# Altium PCB WatcherJet3.pcbdoc (part 2 of 3) (continued)
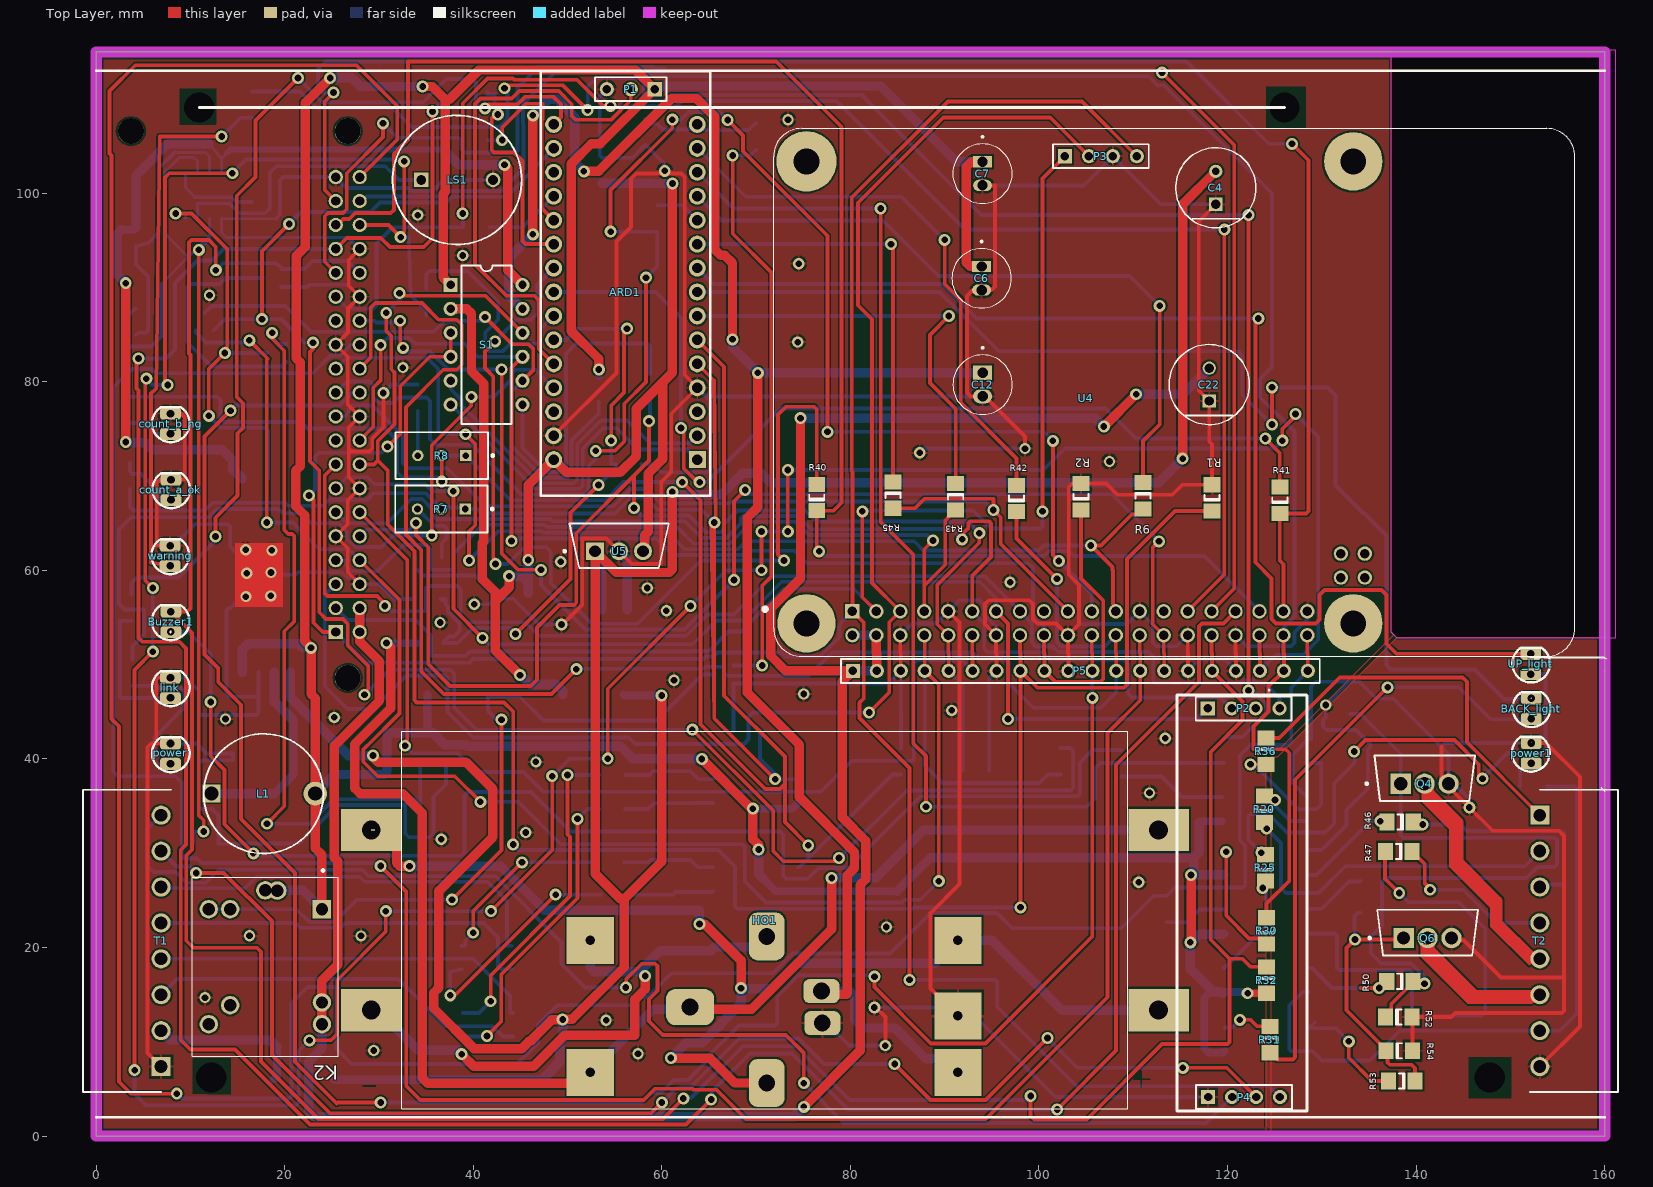
[diagram p0: Top Layer view]
## Nets (pads, with @x,y where several pads share a name; then routed paths per layer and width w, separated by ;. In a path a pad name is that pad's centre, name@x,y a point inside that pad or via, vN(x,y) a via of type N, cw(c..) or ccw(c..) an arc to the next point about the centre after c; other vN are vias at no path point) (continued)
NetD7_1: D7.1 R9.2 | length 32.3
  Top Layer w0.4: v1(41.44,10.617) 42.959,12.136 42.959,17.152 51.036,25.229 v1(51.036,33.655)
  Bottom Layer w0.4: D7.1@38.88,10.563 41.386,10.563 v1(41.44,10.617) ; v1(51.036,33.655) 52.07,34.689 R9.2@53.325,34.689
NetD7_3: D7.3 R14.2 | length 34.4
  Top Layer w0.4: v1(41.834,14.3) 41.834,17.043 50.241,25.451 50.241,31.75 49.987,32.004 v1(49.987,38.299)
  Bottom Layer w0.4: D7.3@38.88,13.063 40.596,13.063 v1(41.834,14.3) ; v1(49.987,38.299) R14.2@53.357,38.299
NetD8_1: D8.1 R22.2 | length 24.1
  Top Layer w0.4: v1(37.547,14.932) 38.054,14.932 v1(48.728,25.606)
  Bottom Layer w0.4: v1(37.547,14.932) 37.547,17.414 D8.1@38.741,17.685 ; v1(48.728,25.606) R22.2@53.552,25.606
NetD8_3: D8.3 R26.2 | length 20.3
  Top Layer w0.4: v1(39.98,21.565) 39.98,23.869 v1(45.15,29.039)
  Bottom Layer w0.4: D8.3@38.741,20.185 D8.3@39.141,20.185 ; v1(39.98,21.565) 39.141,20.726 ; v1(45.15,29.039) R26.2@53.17,29.039 ; D8.3@39.141,20.185 39.141,20.726 ; D8.3@39.141,20.185 39.141,20.726
NetD9_C: D9.C Q4.1 R50.1 R52.1 | length 76.7
  Top Layer w0.4: R52.1@136.774,12.624 137.374,13.224 137.374,13.994 139.692,16.312 R50.1@139.692,16.315 ; R50.1@139.692,16.412 R50.1@139.692,16.315 ; v1(140.904,16.164) 140.741,16.164 140.292,15.715 R50.1@139.692,16.315
  Bottom Layer w0.4: D9.C@133.018,44.784 134.139,44.784 138.367,40.557 Q4.1@138.367,37.379 138.367,31.878 138.601,31.643 154.707,31.643 154.941,31.409 154.941,28.787 154.707,28.552 152.865,28.552 151.68,27.367 136.788,27.367 136.398,26.977 136.398,22.328 135.188,21.119 135.188,19.411 136.308,18.291 139.496,18.291 140.904,16.884 v1(140.904,16.164)
NetD11_C: D11.C Q6.1 R53.1 R54.1 | length 28.3
  Top Layer w0.4: Q6.1@138.681,21.005 138.516,20.84 v1(133.524,20.84) 132.626,19.943 132.626,13.344 136.821,9.15 R54.1@136.821,9.05 136.98,8.891 136.98,7.807 137.214,7.573 139.51,7.573 139.884,7.199 R53.1@139.884,5.84
  Bottom Layer w0.4: v1(133.524,20.84) 133.456,20.908 133.456,23.328 133.811,23.683 D11.C@134.121,23.683
Netlink_1: link.1 R11.1 | length 14.7
  Bottom Layer w0.4: R11.1@3.733,54.653 2.54,54.653 2.515,54.627 2.515,46.581 2.615,46.48 link.1@7.869,46.48
NetOC3_2: OC3.2 R25.1 | length 10.5
  Bottom Layer w0.4: OC3.2@119.638,17.818 120.193,18.373 124.082,22.262 124.082,25.956 v1(123.728,26.311)
NetOC3_3: OC3.3 R50.2 | length 15.1
  Top Layer w0.4: 134.384,15.674 134.422,15.712 v1(136.089,15.712) 134.139,15.712 136.292,15.712 136.892,16.312 R50.2@136.892,16.412
  Bottom Layer w0.4: OC3.3@128.638,17.818 128.963,17.818 131.069,15.712 v1(136.089,15.712)
NetOC4_2: OC4.2 R30.1 | length 12.6
  Top Layer w0.4: v1(119.862,30.151) 119.862,23.392 122.293,20.96 123.539,20.96 R30.1@124.139,20.36
  Bottom Layer w0.4: OC4.2@119.582,30.237 119.669,30.151 v1(119.862,30.151)
NetOC4_4: OC4.4 R46.2 | length 11
  Top Layer w0.4: v1(136.21,33.406) 137.124,33.406 R46.2@137.177,33.353
  Bottom Layer w0.4: OC4.4@128.582,27.697 129.433,27.697 135.142,33.406 v1(136.21,33.406)
NetOC5_2: OC5.2 R31.1 | length 5.4
  Top Layer w0.4: v1(121.308,12.327) 122.469,12.327 123.16,11.636 R31.1@124.496,11.636
  Bottom Layer w0.4: OC5.2@119.694,11.525 120.507,11.525 v1(121.308,12.327)
NetOC5_3: OC5.3 R53.2 | length 12.6
  Top Layer w0.4: v1(132.866,10.055) 132.866,8.298 135.324,5.84 R53.2@137.084,5.84
  Bottom Layer w0.4: OC5.3@129.248,12.08 OC5.3@128.694,11.525 128.794,11.425 131.495,11.425 v1(132.866,10.055)
NetOC6_2: OC6.2 R33.1 | length 6.7
  Bottom Layer w0.4: R33.1@113.494,22.687 115.681,22.687 117.012,24.019 OC6.2@119.601,24.019
NetOC6_4: OC6.4 R47.2 | length 51.7
  Top Layer w0.4: R47.2@136.774,30.2 136.706,30.132 136.706,27.285 v1(138.215,25.775)
  Bottom Layer w0.4: OC6.4@128.601,21.479 131.361,21.479 131.622,21.218 131.622,17.841 131.856,17.606 139.332,17.606 139.567,17.372 139.567,13.006 139.801,12.772 146.965,12.772 147.332,13.139 147.332,22.033 144.57,24.795 139.196,24.795 v1(138.215,25.775)
NetOC7_2: OC7.2 R19.1 | length 11.6
  Bottom Layer w0.4: R19.1@108.762,38.144 112.979,38.144 115.171,35.952 OC7.2@119.408,35.952
NetOC7_4: OC7.4 R20.2 | length 6
  Top Layer w0.4: R20.2@123.908,36.082 124.344,36.082 124.776,35.651 v1(125.034,35.651)
  Bottom Layer w0.4: v1(125.034,35.651) 125.034,35.047 126.669,33.412 OC7.4@128.408,33.412
NetOC8_2: OC8.2 R13.2 | length 182.7
  Top Layer w0.4: v1(43.294,111.15) 43.6,111.456 49.504,111.456 v1(52.121,108.839) ; v1(122.225,97.714) 122.225,47.27 v1(122.235,47.26)
  Bottom Layer w0.4: R13.2@16.538,110.816 21.619,110.816 23.377,109.058 31.429,109.058 33.458,107.029 42.755,107.029 43.631,107.905 43.631,110.814 v1(43.294,111.15) ; v1(52.121,108.839) 52.121,111.335 52.984,112.199 57.594,112.199 58.064,111.729 58.064,110.178 58.064,110.013 58.258,109.819 60.633,109.819 60.788,109.974 60.788,110.194 61.022,110.428 81.237,110.428 81.649,110.016 81.649,109.943 93.878,97.714 v1(122.225,97.714) ; OC8.2@119.568,42.103 119.797,42.333 121.57,42.333 124.125,44.888 124.125,45.856 122.888,47.094 122.401,47.094 v1(122.235,47.26)
NetOC8_4: OC8.4 R36.2 | length 17.1
  Top Layer w0.4: v1(122.428,39.433) R36.2@124.068,39.433
  Bottom Layer w0.4: v1(122.428,39.433) 122.663,39.433 122.972,39.125 123.066,39.125 127.52,34.671 129.438,34.671 129.946,35.179 129.946,39.538 129.921,39.563 OC8.4@128.568,39.563
Netpower1_1: power1.1 R29.1 | length 3.2
  Bottom Layer w0.4: R29.1@151.063,37.072 151.063,38.769 151.83,39.536 power1.1@152.212,39.536
Netpower_1: power.1 R12.1 | length 16.3
  Bottom Layer w0.4: R12.1@3.835,47.756 6.35,47.756 6.575,47.53 9.017,47.53 9.369,47.178 9.369,45.499 6.159,42.289 6.159,39.801 6.477,39.484 power.1@7.873,39.484
NetQ1_1: Q1.1 R3.1 | length 62
  Top Layer w0.4: v1(67.507,104.01) 67.507,95.714 71.609,91.612 71.609,59.362 70.638,58.392 v1(70.638,49.91)
  Bottom Layer w0.4: v1(67.507,104.01) 67.53,104.033 69.404,104.033 R3.1@70.004,104.633 ; Q1.1@67.608,49.91 v1(70.638,49.91)
NetQ3_1: Q3.1 R23.1 R44.2 | length 80
  Top Layer w0.4: v1(18.098,33.13) 19.946,34.978 19.946,53.545 20.991,54.591 20.991,63.643 20.757,63.877 20.355,63.877 19.943,64.29 19.943,83.308 18.663,84.588 v1(18.663,85.209)
  Bottom Layer w0.4: v1(18.098,33.13) 22.601,33.13 25.209,35.738 33.8,35.738 34.359,35.179 ; v1(18.663,85.209) 18.663,84.588 19.229,84.022 Q3.1@20.139,84.022 ; R44.2@34.286,39.3 34.359,39.227 34.359,35.179 ; R23.1@34.359,33.707 34.359,35.179
NetQ3_2: Q3.2 Q8.3 | length 26
  Bottom Layer w0.4: Q8.3@17.642,91.024 13.716,91.024 13.075,90.383 9.97,90.383 9.601,90.015 9.601,84.252 12.217,81.636 19.649,81.636 20.136,82.122 Q3.2@20.139,82.122
NetR7_3: R7.3 R16.2 | length 7.3
  Bottom Layer w0.4: R7.3@34.068,66.516 35.846,64.738 36.906,64.738 37.16,64.484 37.16,63.413 36.636,62.888 R16.2@36.636,61.373
NetR8_3: R8.3 R28.2 | length 4.8
  Bottom Layer w0.4: R28.2@34.104,76.937 34.104,72.186 R8.3@34.106,72.184
NetR13_1: R13.1 warning.1 | length 58.1
  Top Layer w0.4: warning.1@7.822,60.482 5.808,60.834 5.808,78.76 6.353,79.305 6.728,106.038 v1(13.303,106.038)
  Bottom Layer w0.4: v1(13.303,106.038) 15.281,108.016 R13.1@16.538,108.016
NetR25_2: R25.2 UP_light.1 | length 58.3
  Top Layer w0.4: v1(123.583,30.058) 123.805,29.837 R25.2@124.024,29.837 ; v1(133.439,40.798) 134.644,42.003 144.073,42.003 146.648,39.428 146.648,38.144 146.882,37.91 v1(147.043,37.91)
  Bottom Layer w0.4: v1(123.583,30.058) 122.191,31.45 122.191,33.907 122.425,34.141 124.376,34.141 126.31,32.207 130.353,32.207 131.331,33.185 131.331,37.456 133.488,39.614 133.488,40.848 v1(133.439,40.798) ; v1(147.043,37.91) 147.043,37.975 149.708,40.64 153.695,40.64 153.721,40.665 153.721,48.976 153.695,49.001 UP_light.1@152.178,49.001
NG_signal_5: D8.2 T1.5 | length 41.4
  Bottom Layer w0.4: T1.5@6.873,22.606 21.124,22.606 21.639,22.091 25.906,22.091 26.421,22.606 41.084,22.606 42.599,21.092 42.599,18.034 42.947,17.685 D8.2@44.066,17.685
NG_signal_6: D8.4 T1.6 | length 48.2
  Bottom Layer w0.4: T1.6@6.873,26.416 9.093,26.28 15.763,26.28 16.992,27.508 27.938,27.508 28.476,26.97 41.51,26.97 43.561,24.919 ; D8.4@44.066,20.185 D8.4@43.561,20.185 ; D8.4@43.561,20.185 43.561,24.919 ; D8.4@43.561,20.185 43.561,24.919
OK_signal_3: D7.2 T1.3 | length 40.6
  Bottom Layer w0.4: T1.3@6.873,14.986 8.549,16.662 32.047,16.662 37.057,11.652 42.037,11.652 43.127,10.563 D7.2@44.205,10.563
OK_signal_4: D7.4 T1.4 | length 42.6
  Bottom Layer w0.4: T1.4@6.873,18.796 39.992,18.796 43.917,14.872 ; D7.4@44.205,13.063 D7.4@43.917,13.063 ; D7.4@43.917,13.063 43.917,14.872 ; D7.4@43.917,13.063 43.917,14.872
OUT_OPTO_Collector: R20.1 T2.2 | length 37.9
  Top Layer w0.4: R20.1@123.908,33.282 123.908,32.282 123.983,32.282 124.155,32.454 v1(124.155,32.61)
  Bottom Layer w0.4: v1(124.155,32.61) 125.671,31.095 125.671,26.285 126.174,25.781 129.642,25.781 132.486,28.626 151.523,28.626 T2.2@153.126,30.229
OUT_OPTO_Emitter: R36.1 T2.1 | length 41.5
  Top Layer w0.4: R36.1@124.068,42.233 125.483,42.233 131.899,48.649 144.937,48.649 145.39,48.197 145.39,41.775 T2.1@153.126,34.039
PPS: OC3.4 OC5.4 R29.2 T2.7 | length 67.6
  Bottom Layer w0.4: OC3.4@128.638,15.278 127.989,15.278 126.55,13.84 126.55,9.22 126.784,8.985 OC5.4@128.694,8.985 129.038,8.985 130.018,8.005 135.094,8.005 138.268,11.179 T2.7@153.126,11.179 155.261,11.179 157.084,13.001 157.084,36.838 156.849,37.072 R29.2@153.863,37.072
RASp_A0: A1.29 R37.1 U4.29 | length 165.7
  Top Layer w0.4: v1(38.863,97.865) 38.863,109.555 41.494,112.185 44.187,112.185 44.317,112.056 50.987,112.056 53.758,109.284 v1(54.545,109.284) ; U4.29@115.768,55.662 119.659,59.553 v1(119.659,96.164)
  Bottom Layer w0.4: A1.29@25.4,89.027 26.67,87.757 29.337,87.757 29.728,88.148 29.728,94.666 31.477,96.415 R37.1@38.913,96.415 38.913,97.816 v1(38.863,97.865) ; v1(54.545,109.284) 54.61,109.219 61.489,109.219 62.075,109.805 78.518,109.805 92.159,96.164 v1(119.659,96.164)
RASp_A1: A1.31 R38.1 U4.31 | length 173.5
  Top Layer w0.4: A1.31@25.4,91.567 24.232,92.735 24.232,97.574 24.575,97.917 26.162,97.917 26.568,98.323 26.568,102.126 30.42,105.978 v1(30.42,107.432) ; v1(113.055,112.801) 120.701,105.156 120.701,58.054 U4.31@118.308,55.662
  Bottom Layer w0.4: v1(30.42,107.432) 31.944,105.908 38.454,105.908 R38.1@38.722,105.64 38.722,104.712 39.093,104.34 44.485,104.34 44.669,104.524 44.669,111.185 46.883,113.399 59.076,113.399 59.196,113.278 60.34,113.278 60.557,113.061 112.386,113.061 112.479,112.968 112.889,112.968 v1(113.055,112.801)
RASp_A2: A1.33 R39.1 U4.33 | length 300.6
  Top Layer w0.4: v1(4.47,82.486) 4.274,82.29 4.274,79.305 4.47,79.108 4.47,52.847 4.889,52.428 8.811,52.428 9.514,51.725 9.514,30.917 8.95,30.353 8.95,10.188 9.97,9.169 14.707,9.169 22.657,1.219 62.56,1.219 v1(65.227,3.886) ; A1.33@25.4,94.107 26.568,95.275 30.175,95.275 31.14,94.31 34.734,94.31 35.662,95.237 v1(35.662,108.687) ; v1(101.93,2.819) 108.179,9.068 108.179,39.395 116.967,48.184 116.967,54.064 117.284,54.381 119.568,54.381 U4.33@120.848,55.662
  Bottom Layer w0.4: v1(4.47,82.486) 7.404,82.486 8.357,83.439 8.357,90.5 10.744,92.888 12.26,92.888 13.479,94.107 A1.33@25.4,94.107 ; v1(35.662,108.687) 37.73,110.755 R39.1@38.696,110.755 ; v1(65.227,3.886) 65.314,3.973 65.314,4.745 69.324,8.755 73.795,8.755 79.731,2.819 v1(101.93,2.819)
RASp_A3: A1.35 R40.1 U4.35 | length 169.1
  Top Layer w0.4: A1.35@25.4,96.647 25.553,96.647 26.188,97.282 26.837,97.282 27.472,97.917 31.242,97.917 31.572,98.247 31.572,104.158 31.989,104.575 31.989,104.64 33.062,105.714 33.062,113.985 72.12,113.985 79.045,107.061 79.045,67.183 78.198,66.336 R40.1@76.427,66.336 76.427,62.283 v1(76.683,62.027)
  Bottom Layer w0.4: v1(76.683,62.027) 77.191,61.519 100.55,61.519 101.083,62.052 103.149,62.052 103.683,61.519 117.531,61.519 U4.35@123.388,55.662
RASp_A4: A1.37 R41.1 U4.37 | length 177
  Top Layer w0.4: v1(25.171,110.693) 24.232,109.753 24.232,100.355 A1.37@25.4,99.187 ; U4.37@125.928,55.662 125.928,60.655 125.543,61.041 R41.1@125.543,66.048 128.356,66.048 128.59,66.283 128.59,103.515 v1(126.848,105.258)
  Bottom Layer w0.4: v1(25.171,110.693) 23.911,110.693 23.508,111.096 23.508,113.157 24.349,113.999 59.665,113.999 59.668,113.995 115.633,113.995 124.37,105.258 v1(126.848,105.258)
RASp_A5: A1.36 P5.18 R34.1 U4.36 | length 365
  Top Layer w0.4: v1(4.064,6.985) 4.064,49.454 v1(5.994,51.384) ; v1(5.309,80.34) 5.182,80.213 5.182,58.953 v1(5.994,58.141) ; v1(7.569,79.68) 7.29,79.959 7.29,101.676 7.747,102.133 v1(14.427,102.133) ; v1(22.606,10.16) 24.892,10.16 25.552,10.82 25.552,16.535 30.709,21.692 v1(30.709,23.851) ; A1.36@27.94,96.647 30.989,96.647 32.166,95.469 v1(32.284,95.351) 32.284,95.587 32.666,95.969 v1(32.666,103.397) ; v1(41.859,23.851) 48.362,30.353 v1(48.362,38.176) ; v1(54.254,40.03) 54.254,47.447 v1(63.043,56.236) ; v1(70.574,60.02) v1(70.574,64.135) ; v1(73.355,64.135) v1(73.355,70.663) ; U4.36@123.388,53.122 123.388,51.254 123.436,51.206 P5.18@123.436,49.346 ; v1(125.806,73.762) 125.806,74.995 127.208,76.396 v1(127.208,76.591)
  Bottom Layer w0.4: v1(4.064,6.985) 4.064,4.498 5.286,3.277 21.196,3.277 21.472,3.552 21.472,9.026 v1(22.606,10.16) ; v1(5.309,80.34) 5.969,79.68 v1(7.569,79.68) ; v1(5.994,51.384) v1(5.994,58.141) ; v1(14.427,102.133) 15.878,103.584 31.996,103.584 32.017,103.564 32.499,103.564 v1(32.666,103.397) ; v1(30.709,23.851) v1(41.859,23.851) ; v1(32.284,95.351) 33.147,95.351 33.35,89.171 34.999,87.522 R34.1@34.999,87.022 ; v1(48.362,38.176) 50.216,40.03 v1(54.254,40.03) ; v1(63.043,56.236) 66.827,60.02 v1(70.574,60.02) ; v1(70.574,64.135) v1(73.355,64.135) ; v1(73.355,70.663) 100.457,70.663 102.738,72.944 124.989,72.944 v1(125.806,73.762) ; P5.18@123.436,49.346 125.144,51.054 128.044,51.054 129.63,52.64 129.63,74.169 v1(127.208,76.591)
RASp_D11: A1.24 P5.12 R42.1 U4.24 | length 169.2
  Top Layer w0.4: A1.24@27.94,81.407 29.108,82.575 29.108,87.884 29.591,88.367 34.538,88.367 36.316,86.589 38.227,86.589 38.76,86.055 38.76,81.813 38.227,81.28 36.805,81.28 32.842,77.318 32.842,63.805 34.479,62.168 34.479,49.264 36.851,46.893 48.286,46.893 v1(50.925,49.531) ; R42.1@97.625,66.23 97.625,63.386 v1(101.905,59.106) ; U4.24@108.148,53.122 108.148,51.254 108.196,51.206 P5.12@108.196,49.346
  Bottom Layer w0.4: v1(50.925,49.531) 50.974,49.581 64.414,49.581 64.618,49.784 66.582,49.784 66.608,49.759 66.608,49.149 66.938,48.819 75.564,48.819 78.053,51.308 92.939,51.308 93.624,50.622 96.329,50.622 96.774,50.178 96.774,48.057 99.39,45.441 106.553,45.441 108.196,47.084 P5.12@108.196,49.346 ; v1(101.905,59.106) 101.905,52.324 102.286,51.943 106.97,51.943 U4.24@108.148,53.122
RS485_A: P4.2 T1.8 | length 145.1
  Top Layer w0.4: v1(56.171,15.752) 56.222,15.803 56.222,16.646 57.863,18.287 59.297,18.287 59.532,18.053 59.532,15.409 58.637,14.514 58.637,12.182 59.77,11.049 60.1,10.719 73.139,10.719 75.057,8.801 v1(75.057,5.613)
  Bottom Layer w0.4: T1.8@6.873,34.036 5.436,32.599 5.436,28.651 6.086,28 8.43,28 9.55,26.88 11.627,26.88 12.992,28.245 28.226,28.245 28.901,27.57 42.314,27.57 49.34,20.544 49.34,18.243 51.831,15.752 v1(56.171,15.752) ; v1(75.057,5.613) 79.299,1.372 117.711,1.372 P4.2@120.481,4.142
RS485_B: P4.3 T1.7 | length 147.6
  Top Layer w0.4: v1(10.592,27.915) 13.507,27.915 18.677,22.745 18.628,22.696 18.628,8.588 24.796,2.419 58.858,2.419 v1(59.995,3.556) ; v1(84.684,7.645) 88.494,3.835 94.336,3.835 v1(100.901,10.401) ; v1(115.265,7.239) 119.924,7.239 P4.3@123.021,4.142
  Bottom Layer w0.4: T1.7@6.873,30.226 8.499,28.6 9.906,28.6 v1(10.592,27.915) ; v1@60.3,3.556 v1(59.995,3.556) 61.475,5.036 61.862,5.036 61.964,5.138 62.998,5.138 68.212,10.352 74.495,10.352 77.202,7.645 v1(84.684,7.645) ; v1(100.901,10.401) 104.064,7.239 v1(115.265,7.239)
Rx_HV: ARD1.2 S1.5 | length 37.8
  Bottom Layer w0.4: S1.5@37.592,80.126 37.592,79.223 38.742,78.073 38.742,77.521 47.008,69.255 50.645,69.255 51.014,69.624 51.014,73.401 53.508,75.895 56.321,75.895 58.734,73.482 62.941,73.482 ARD1.2@63.754,74.295
Rx_LV: A1.10 P5.5 R48.1 R51.2 U4.10 | length 141.9
  Top Layer w0.4: v1(33.909,65.024) 33.909,63.762 35.209,62.463 35.209,50.072 37.529,47.751 46.085,47.751 46.742,48.408 46.742,53.945 49.129,56.333 50.678,56.333 50.911,56.566 50.911,63.944 57.036,70.069 ; v1(57.036,66.624) 57.036,70.069 ; v1(58.623,75.832) 58.623,71.656 57.036,70.069 ; P5.5@90.416,49.346 90.416,51.206 90.368,51.254 U4.10@90.368,53.122 89.205,54.285 89.205,58.471 93.666,62.932 v1(93.666,63.956)
  Bottom Layer w0.4: A1.10@27.94,63.627 28.626,64.313 33.198,64.313 v1(33.909,65.024) ; v1(57.036,66.624) 57.828,65.832 62.88,65.832 64.672,64.04 66.243,64.04 66.592,64.389 66.592,64.941 68.021,66.37 75.195,66.37 76.382,65.184 92.438,65.184 v1(93.666,63.956) ; v1(58.623,75.832) 58.726,75.934 R48.1@58.726,78.039 ; P5.5@90.416,49.346 91.912,47.85 R51.2@91.912,38.747
SCL: A1.5 P3.2 U4.5 | length 166.7
  Top Layer w0.4: v1(81.991,44.933) 84.125,47.066 84.125,54.498 U4.5@85.288,55.662 82.29,58.661 82.29,86.646 80.797,88.138 80.797,98.996 89.852,108.052 101.189,108.052 P3.2@105.298,103.943
  Bottom Layer w0.4: A1.5@25.4,58.547 24.232,57.379 24.232,47.715 26.633,45.314 29.381,45.314 32.912,48.845 36.983,48.845 37.248,48.58 37.248,45.005 39.984,42.269 56.478,42.269 57.167,41.58 68.707,41.58 69.19,42.062 69.19,44.463 69.659,44.933 v1(81.991,44.933)
SDA: A1.3 P3.1 U4.3 | length 136.2
  Top Layer w0.4: v1(81.255,66.269) 81.255,57.156 U4.3@82.748,55.662 ; v1(100.381,66.269) 100.381,101.566 P3.1@102.758,103.943
  Bottom Layer w0.4: A1.3@25.4,56.007 26.67,54.737 33.884,54.737 35.543,53.078 35.543,50.952 35.545,50.951 39.193,50.951 39.637,51.394 63.34,51.394 63.408,51.462 65.014,51.462 67.077,53.526 68.382,53.526 72.92,58.064 80.346,58.064 U4.3@82.748,55.662 ; v1(81.255,66.269) 81.343,66.357 93.022,66.357 94.941,64.438 100.146,64.438 100.381,64.673 v1(100.381,66.269)
SW7: R48.2 S1.7 | length 34.9
  Bottom Layer w0.4: S1.7@45.212,77.586 45.212,72.995 47.752,70.455 49.34,70.455 49.814,70.929 49.814,82.986 50.902,84.074 58.408,84.074 58.726,83.757 R48.2@58.726,80.839
SW9: Q2.3 R49.1 S1.8 | length 66.3
  Top Layer w0.4: v1(41.224,86.868) 44.094,83.998 45.847,83.998 46.362,83.483 46.362,81.276 S1.8@45.212,80.126
  Bottom Layer w0.4: Q2.3@11.515,87.299 11.515,87.359 11.992,87.837 12.053,87.837 12.265,88.049 20.053,88.049 22.784,85.319 35.789,85.319 36.957,86.487 40.843,86.487 v1(41.224,86.868) ; S1.8@45.212,80.126 44.044,78.957 44.044,73.203 47.391,69.855 49.974,69.855 50.414,70.294 50.414,73.77 53.301,76.657 R49.1@53.301,77.855
SW11: C12.P CCH1.1 CH1.2 S1.11 | length 199.9
  Top Layer w1: v1(46.304,95.653) v1(46.304,108.28) ; v1(51.714,102.337) 53.289,102.337 61.011,110.058 63.681,110.058 65.634,108.106 65.634,94.023 66.219,93.437 66.652,93.437 67.486,92.603 v1(67.486,84.515) ; v1(70.18,80.963) 70.18,66.729 69.045,65.594 69.045,47.052 74.579,41.518 74.579,35.961 80.431,30.109 80.431,28.425 79.68,27.675 79.68,15.143 79.598,15.061 CCH1.1@76.034,15.061
  Bottom Layer w1: S1.11@45.212,87.746 43.739,89.219 43.739,93.088 v1(46.304,95.653) ; v1(46.304,108.28) 48.022,109.998 48.851,109.998 50.762,108.087 50.762,103.289 v1(51.714,102.337) ; v1(67.486,84.515) 67.486,83.669 v1@70.193,80.963 ; v1(70.18,80.963) v1@70.193,80.963 ; CCH1.1@76.919,15.379 79.871,15.379 80.457,14.793 80.457,12.324 81.323,11.458 84.718,11.458 87.982,8.194 89.955,8.194 CH1.2@91.397,6.752 ; C12.P@94.019,80.963 v1@70.193,80.963
SW12: R17.2 R35.2 S1.12 U1.8 | length 102.2
  Top Layer w1: v1(3.124,73.617) v1(3.124,90.475) ; v1(43.307,103.022) 43.644,102.685 43.644,91.854 S1.12@45.212,90.286
  Bottom Layer w0.311: 11.954,105.283 13.273,103.708 ; U1.8@13.273,102.158 13.273,103.708 ; 13.857,104.292 13.273,103.708
  Bottom Layer w0.6: 13.857,104.292 14.223,104.659 36.845,104.659
  Bottom Layer w0.8: 2.2,91.399 2.591,91.008 ; 2.668,96.14 3.957,96.14 R17.2@4.211,96.394
  Bottom Layer w1: 2.2,91.399 2.2,95.672 2.668,96.14 ; 2.591,91.008 v1(3.124,90.475) ; v1(3.124,73.617) 3.176,73.565 5.179,73.565 5.961,72.783 13.373,72.783 14.481,71.674 14.481,70.703 15.067,70.117 15.14,70.117 15.44,69.817 R35.2@15.44,69.717 ; R17.2@4.211,96.394 4.211,101.9 7.595,105.283 11.954,105.283 ; 36.845,104.659 38.481,103.022 v1(43.307,103.022)
Tx_HV: ARD1.1 S1.6 | length 36.2
  Bottom Layer w0.4: S1.6@37.592,77.586 46.523,68.655 51.244,68.655 51.614,69.025 51.614,72.962 53.736,75.084 55.206,75.084 57.452,72.838 62.671,72.838 ARD1.1@63.754,71.755
Tx_LV: A1.8 P5.4 Q2.2 R24.1 U4.8 | length 185.6
  Top Layer w0.4: v1(16.236,84.404) 18.189,82.451 18.089,82.351 v1(18.089,65.081) ; A1.8@27.94,61.087 27.948,61.087 32.154,56.881 32.154,44.815 28.735,41.396 28.702,41.396 28.315,41.008 28.315,39.713 29.851,38.176 38.024,38.176 v1(40.742,35.458) ; U4.8@87.828,53.122 87.876,53.074 P5.4@87.876,49.346 87.909,49.346 89.369,47.886 v1(89.369,27.034)
  Bottom Layer w0.4: Q2.2@10.565,85.478 10.565,85.244 11.644,84.165 15.762,84.165 16.001,84.404 v1(16.236,84.404) ; v1(18.089,65.081) 20.835,65.081 23.66,62.255 26.772,62.255 A1.8@27.94,61.087 ; v1(40.742,35.458) 44.771,35.458 49.266,30.963 68.544,30.963 68.778,30.728 68.778,27.028 71.041,24.765 85.446,24.765 85.749,25.068 87.404,25.068 v1(89.369,27.034) ; P5.4@87.876,49.346 87.876,39.302 89.738,37.44 100.025,37.44 100.949,38.364 R24.1@102.272,38.364
U1: Q4.2 T2.5 | length 24
  Top Layer w1: Q4.2@140.906,37.379 140.906,37.068 141.482,36.493 141.482,36.359 144.551,33.29 144.551,29.074 148.671,24.954 148.671,22.606 152.282,18.995 152.93,18.995 T2.5@153.126,18.799
pads on no net: A1. A1.17 A1.27 ARD1.3 ARD1.18 ARD1.28 K2.NO U4.17 U4.27 U4.41 U4.42 U4.43 U4.44 U4.S1 U4.S2 U4.S3 U4.S4

## Polygon pours and split planes (outlines as drawn)
GND on Top Layer "NONET_L-01_P-001" (solid, remove dead copper, pour order 80): 137.641,53.179 135.014,53.179 124.036,42.201 124.036,0 0,0 0,115 137.15,115 137.266,114.884 137.266,53.554
GND1 on Top Layer "NONET_L-01_P-001" (solid, remove dead copper, pour order 79): 124.272,0.807 159.192,0.807 159.192,52.649 137.883,52.649 137.823,52.709 126.057,40.943 124.068,40.943 124.068,1.011
GND on Top Layer "NONET_L01_P024" (solid, remove dead copper, shelved, pour order 24): 0.381,2.032
GND1 on Top Layer "NONET_L-01_P-001" (solid, remove dead copper, shelved, pour order 74): 159.996,52.853 137.967,52.853 125.295,40.181 124.568,40.181 124.568,-0.134 124.635,-0.201 124.836,0 159.999,0
GND on Top Layer "NONET_L-01_P-001" (solid, remove dead copper, shelved, pour order 71): 137.217,114.933 137.315,114.835 137.315,53.505 137.641,53.179 125.405,40.943 124.068,40.943 124.068,0.009 124.047,-0.011 124.036,0 0,0 0,114.999
GND on Top Layer "NONET_L01_P016" (solid, remove dead copper, shelved, pour order 16): 0.381,2.286
GND on Bottom Layer "NONET_L-01_P-001" (solid, remove dead copper, pour order 81): 124.036,0.807 0.807,0.807 0.807,114.192 137.111,114.192 137.111,53.709 137.641,53.179 125.461,40.998 123.742,40.998
GND1 on Bottom Layer "NONET_L-01_P-001" (solid, remove dead copper, pour order 78): 159.999,0 124.702,0 124.568,-0.134 124.068,0.366 124.068,40.943 126.057,40.943 137.967,52.853 159.996,52.853
GND on Bottom Layer "NONET_L02_P036" (solid, remove dead copper, shelved, pour order 36): 4.268,114.2
GND on Bottom Layer "NONET_L-01_P-001" (solid, remove dead copper, shelved, pour order 40): 0.175,112.783
GND on Bottom Layer "NONET_L-01_P-001" (solid, remove dead copper, shelved, pour order 41): 0,115
GND on Bottom Layer "NONET_L-01_P-001" (solid, remove dead copper, shelved, pour order 49): 137.315,53.505
GND1 on Bottom Layer "NONET_L-01_P-001" (solid, remove dead copper, shelved, pour order 57): 159.996,52.853 137.967,52.853
GND on Bottom Layer "NONET_L-01_P-001" (solid, remove dead copper, shelved, pour order 70): 0,114.999 0,0 125.009,0 125.022,0.013 124.068,0.967 124.068,43.133 126.943,43.133 137.315,53.505 137.217,53.603 137.217,114.933
GND1 on Bottom Layer "NONET_L-01_P-001" (solid, remove dead copper, shelved, pour order 75): 159.996,52.853 137.967,52.853 125.295,40.181 124.568,40.181 124.568,-0.134 124.635,-0.201 124.836,0 159.999,0
GND on Bottom Layer "GND" (solid, shelved, pour order 10): 2.921,10.276 2.921,3.302 8.128,3.302 8.22,3.302 8.22,4.988 8.22,10.276
GND1 on Top Overlay "NONET_L-01_P-001" (solid, remove dead copper, shelved): 110.727,5.913

## Keep-outs
Keep-Out Layer:
  the board outline again, w1.2

## Other copper
Top Layer:
  region net B1: 153.126,14.989 146.258,14.989 141.221,20.025 141.221,21.005 141.148,21.005 140.503,20.361 140.503,19.027 145.481,14.05 152.316,14.05
  region net U1: 153.126,18.799 149.316,22.609 148.671,22.609 148.671,24.954 144.551,29.074 144.551,33.29 141.482,36.359 141.482,36.804 140.906,37.379 140.599,37.071 140.599,35.484 143.528,32.555 143.528,28.554 147.862,24.219 147.862,22.219 151.982,18.099
  pour cut-out: 29.637,5.399 29.629,5.248 28.247,5.248 28.247,5.399
  pour cut-out: 110.965,5.913 110.955,5.047 110.727,5.047 110.727,5.913 109.957,5.913 109.978,6.118 110.76,6.118 110.771,6.958 110.962,6.964 110.962,6.118 111.876,6.118 111.876,5.913
  region net GND: 14.716,62.875 14.716,56.149 19.75,56.149 19.794,56.105 19.794,62.897
  pour cut-out: -2.37,59.588
  region net B1: 146.95,13.787
  pour cut-out: 14.666,63.169
  region net U1: 153.126,26.419
  region net U1: 139.362,46.324
  pour cut-out: 145.57,8.355 145.57,4.025 150.048,4.025 150.073,4.05 150.073,8.404
  pour cut-out: 8.844,111.1 8.844,107.258 12.632,107.258 12.74,107.366 12.74,111.1
  pour cut-out: 124.1,111.354 124.1,106.899 124.123,106.876 128.28,106.876 128.28,111.308 128.257,111.331
  pour cut-out: 10.242,4.482 10.242,8.183 10.314,8.255 14.278,8.255 14.278,4.482 14.326,4.434
Bottom Layer:
  pour cut-out: 14.716,62.875 14.716,56.149 14.76,56.105 19.794,56.105 19.794,62.897 19.816,62.919
  pour cut-out: 110.283,9.451
  region net B1: 140.698,21.906
  region: 153.126,22.609
  region: 144.168,25.725
  region net B1: 146.38,19.634
  region: 153.126,22.609
  region net B1: 143.174,16.564
  region net B1: 137.938,18.768
  pour cut-out: 146.684,8.854
  pour cut-out: 145.57,8.355 145.57,4.025 150.048,4.025 150.073,4.05 150.073,8.404
  pour cut-out: 12.74,111.1 12.74,107.366 12.632,107.258 8.844,107.258 8.844,111.1
  pour cut-out: 10.242,8.183 10.242,4.482 10.194,4.434 14.326,4.434 14.326,8.207 14.23,8.303
  pour cut-out: 124.1,111.354 124.1,106.944 124.077,106.922 124.123,106.876 128.28,106.876 128.28,111.308 128.234,111.354
  pour cut-out: 3.67,106.597

## Silkscreen, mask and mechanical layers (free items; w line width, h text height)
Top Overlay:
  pour cut-out: 111.291,6.536
  region: 14.127,36.714
  lines w0.01: 159.612,36.986 159.998,36.6
  lines w0.1: 151.053,38.699 151.057,38.696 ; 152.178,46.468 152.216,46.431 ; 152.212,41.695 152.216,41.698 ; 154.179,45.331 154.212,45.363 ; 159.981,50.806 160.165,50.623 ; 159.994,52.879 159.996,52.881 ; 160.024,49.3 160.032,49.292
  lines w0.2: 7.871,53.434 7.873,53.433 ; 7.871,53.527 7.873,53.526 ; 152.144,50.779 159.954,50.779
  lines w0.254: 0,2 159.998,2 ; 0,113 160.001,113
  lines w0.3: 10.922,109.093 126.051,109.093 ; 124.395,47.319 124.433,47.281 ; 128.386,46.787 114.627,46.787 114.627,2.669 128.424,2.669 128.424,46.749